# Altium PCB PCB1.PcbDoc (part 3 of 3) (continued)
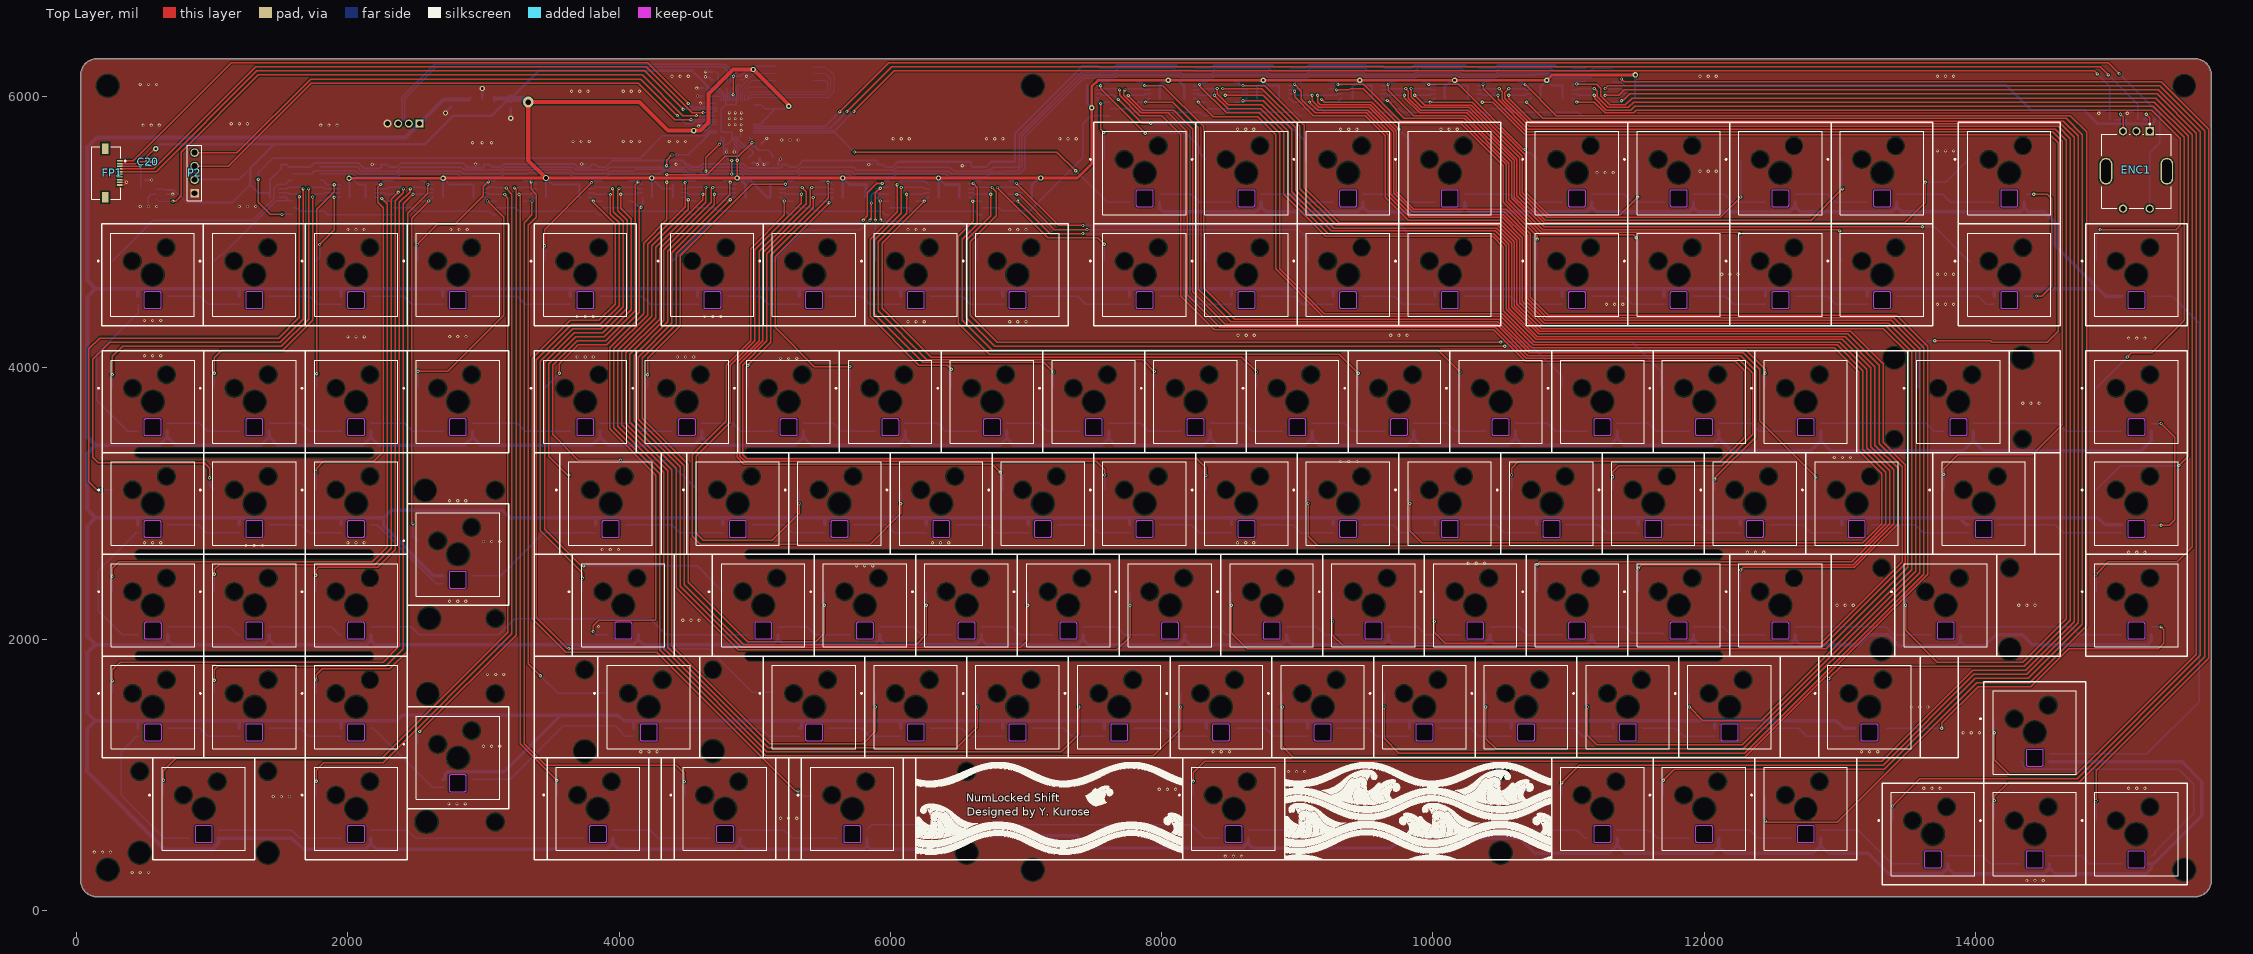
[diagram p0: Top Layer view]
## Nets (pads, with @x,y where several pads share a name; then routed paths per layer and width w, separated by ;. In a path a pad name is that pad's centre, name@x,y a point inside that pad or via, vN(x,y) a via of type N, cw(c..) or ccw(c..) an arc to the next point about the centre after c; other vN are vias at no path point) (continued)
  Top Layer w10: v1(5800,5090) 5830,5120 5830,5290 5900,5360 v1(5940,5360)
  Bottom Layer w10: SW53.1@4389.86,4787.5 4390.85,4787.5 4673.35,5070 5780,5070 v1(5800,5090) ; R23.8@5887.77,5352.66 5928.97,5352.66 5936.31,5360 5941.7,5360 5962.12,5380.41 U10.14@5990.13,5380.41
NetR24_5: R24.5 SW64.1 U11.11 | length 4273.2
  Top Layer w10: v1(6608.01,5228.01) 6610,5226.02 6610,5080 6500,4970 6500,4330 6730,4100 9310,4100 v1(9450,3960)
  Bottom Layer w10: R24.5@6574.92,5258.17 6584.27,5258.17 6605.41,5237.03 6605.41,5230.62 v1(6608.01,5228.01) ; v1@6612.02,5230.41 U11.11@6677.27,5230.41 ; v1(9450,3960) 9450,3852.36 SW64.1@9452.36,3850
NetR24_6: R24.6 SW63.1 U11.12 | length 5813
  Top Layer w10: v1(6740,5280) 6740,5120 6560,4940 6560,4370 6770,4160 v1(10530,4160)
  Bottom Layer w10: R24.6@6574.91,5289.66 6575.25,5290 6610,5290 6619.59,5280.41 U11.12@6677.27,5280.41 6677.48,5280.21 6739.79,5280.21 v1(6740,5280) ; v1(10530,4160) 10730,4160 10952.36,3937.64 SW63.1@10952.36,3850
NetR24_7: R24.7 SW62.1 U11.13 | length 6610.3
  Top Layer w10: v1(6750,5330) 6750,5327.33 6780,5297.33 6780,5120 6590,4930 6590,4390 6790,4190 v1(10500,4190)
  Bottom Layer w10: R24.7@6574.91,5321.16 6576.07,5320 6610,5320 6620.41,5330.41 U11.13@6677.27,5330.41 6677.48,5330.21 6749.79,5330.21 v1(6750,5330) ; v1(10500,4190) 11470,4190 11680,3980 11680,3872.36 SW62.1@11702.36,3850
NetR24_8: R24.8 SW61.1 U11.14 | length 5130.2
  Top Layer w10: v1(6610,5360) 6640,5330 6640,5060 6530,4950 6530,4350 6750,4130 10040,4130 v1(10200,3970)
  Bottom Layer w10: R24.8@6574.91,5352.66 6578.28,5356.02 6602.34,5356.02 6606.31,5360 v1(6610,5360) 6630.41,5380.41 U11.14@6677.27,5380.41 ; v1(10200,3970) 10200,3852.36 SW61.1@10202.36,3850
NetR25_5: R25.5 SW72.1 U12.11 | length 559.3
  Top Layer w10: v1(7550,5950) 7550,5760 v1(7573.68,5736.32)
  Bottom Layer w10: R25.5@7517.78,5987.31 7527.13,5987.31 7530.49,5983.94 7530.49,5969.51 v1(7550,5950) 7570,5950 7578.18,5958.18 7618.76,5958.18 U12.11@7620.13,5959.55 ; v1@7570,5740 v1(7573.68,5736.32) 7577.36,5732.64 SW72.1@7577.36,5537.5
NetR25_6: R25.6 SW71.1 U12.12 | length 1828.7
  Top Layer w10: v1(7680,5980) 7856.38,5803.62 v1(7920,5803.62)
  Bottom Layer w10: R25.6@7517.77,6018.81 7518.97,6020 7550,6020 7560.45,6009.55 7648.44,6009.55 7678,5980 v1(7680,5980) ; v1(7920,5803.62) 7922.26,5801.37 8928.63,5801.37 9062.36,5667.64 SW71.1@9062.36,5530
NetR25_7: R25.7 SW70.1 U12.13 | length 8834.6
  Top Layer w10: v1(7690,6050) 7690,6010 7840,5860 8000,5860 8140,5720 8140,4530 8390,4280 10450,4280 10680,4050 12230,4050 12300,3980 12300,3490 12120,3310 10630,3310 10580,3260 v1(10580,3210)
  Bottom Layer w10: R25.7@7517.77,6050.3 7518.08,6050 7550,6050 7559.55,6059.55 7676.76,6059.55 7686.31,6050 v1(7690,6050) ; SW70.1@10577.36,3100 10580,3102.64 v1(10580,3210)
NetR25_8: R25.8 SW69.1 U12.14 | length 1164.5
  Top Layer w10: v1(7550,6080) 7550,6060 v1(7880,5730)
  Bottom Layer w10: R25.8@7517.77,6081.8 7518.67,6080.9 7549.1,6080.9 v1(7550,6080) 7551.53,6081.53 7551.53,6095.45 7565.86,6109.78 7619.91,6109.78 U12.14@7620.13,6109.55 ; v1(7880,5730) 8180,5730 8282.17,5627.83 8282.17,5581.71 8326.38,5537.5 SW69.1@8327.36,5537.5
NetR26_5: R26.5 SW80.1 U13.11 | length 11454.8
  Top Layer w10: v1(8270,5960) 8380,5850 8710,5850 8840,5720 8840,4730 9190,4380 10500,4380 10730,4150 12960,4150 13140,3970 13140,3390 13310,3220 13310,2850 13170,2710 9920,2710 9830,2800 v1(9830,3000)
  Bottom Layer w10: R26.5@8234.92,5987.31 8244.27,5987.31 8270.79,5960.79 8272.03,5959.55 U13.11@8337.28,5959.55 ; SW80.1@9827.36,3100 9830,3097.36 v1(9830,3000)
NetR26_6: R26.6 SW79.1 U13.12 | length 10488.4
  Top Layer w10: v1(8390,6010) 8490,5910 8730,5910 8900,5740 8900,5280 9210,4970 10440,4970 10520,4890 10520,4420 10750,4190 13000,4190 13200,3990 13200,3410 13370,3240 13370,2850 13090,2570 10790,2570 v1(10770,2550)
  Bottom Layer w10: R26.6@8234.92,6018.81 8236.11,6020 8270,6020 8280.45,6009.55 U13.12@8337.28,6009.55 8337.5,6009.78 8389.78,6009.78 v1(8390,6010) ; SW79.1@10764.86,2350 10764.86,2542.7 10770,2547.84 v1(10770,2550)
NetR26_7: R26.7 SW78.1 U13.13 | length 9836
  Top Layer w10: v1(8410,6060) 8410,6020 8490,5940 8740,5940 8930,5750 8930,5290 9230,4990 10450,4990 10540,4900 10540,4431.21 10761.21,4210 13020,4210 13230,4000 13230,3420 13400,3250 13400,2850 13100,2550 11540,2550 v1(11513.92,2523.92)
  Bottom Layer w10: R26.7@8234.92,6050.3 8235.22,6050 8270,6050 8279.55,6059.55 U13.13@8337.28,6059.55 8337.5,6059.78 8409.78,6059.78 v1(8410,6060) ; v1(11513.92,2523.92) 11513.92,2350.95 SW78.1@11514.86,2350
NetR26_8: R26.8 SW77.1 U13.14 | length 12362
  Top Layer w10: v1(8280,6090) 8282.61,6087.39 8282.61,6077.39 8480,5880 8720,5880 8870,5730 8870,4730 9200,4400 10511.21,4400 10741.21,4170 12980,4170 13170,3980 13170,3400 13340,3230 13340,2850 13180,2690 9150,2690 9080,2760 v1(9080,3000)
  Bottom Layer w10: R26.8@8234.92,6081.8 8268.11,6081.8 8276.31,6090 v1(8280,6090) 8282.61,6092.61 8290.89,6092.61 8307.84,6109.55 U13.14@8337.28,6109.55 ; SW77.1@9070,3092.64 9080,3082.64 v1(9080,3000)
NetR27_5: R27.5 SW84.1 U14.3 | length 3119.6
  Top Layer w10: v1(9300,6090) 9490,6090 9760,5820 10220,5820 10540,5500 10540,5230 10790,4980 11480,4980 v1(11500,4960)
  Bottom Layer w10: U14.3@9233.94,6109.55 9286.43,6109.55 9297.39,6098.59 9297.39,6092.61 v1(9300,6090) 9303.69,6090 9308.76,6084.92 9330.58,6084.92 R27.5@9333.7,6081.8 ; v1(11500,4960) 11500,4957.84 11514.86,4942.97 SW84.1@11514.86,4787.5
NetR27_6: R27.6 SW83.1 U14.4 | length 2381.9
  Top Layer w10: v1(9290,6050) 9385.33,6050 9394.88,6059.55 9486.53,6059.55 9746.08,5800 10210,5800 10520,5490 10520,5220 10770,4970 v1(10770,4950)
  Bottom Layer w10: U14.4@9233.94,6059.55 9236.31,6057.19 9279.13,6057.19 9286.31,6050 v1(9290,6050) 9290.15,6050.15 9333.56,6050.15 R27.6@9333.71,6050.3 ; SW83.1@10764.86,4787.5 10764.86,4942.7 10770,4947.84 v1(10770,4950)
NetR27_7: R27.7 SW82.1 U14.5 | length 13445
  Top Layer w10: v1(8890,1500) 8890,1210 8970,1130 12300,1130 13650,2480 13650,4160 13420,4390 10850,4390 10720,4520 10720,4990 10540,5170 9860,5170 9730,5300 9730,5750 9540,5940 9170,5940 9150,5960 v1(9150,6010)
  Bottom Layer w10: SW82.1@8889.86,1600 8890,1599.86 v1(8890,1500) ; v1@9150.45,6009.55 9289.55,6009.55 9300,6020 9332.51,6020 R27.7@9333.71,6018.81
NetR27_8: R27.8 SW81.1 U14.6 | length 1089.3
  Top Layer w10: v1(9180,5980) 9200,5960 9550,5960 v1(9750,5760)
  Bottom Layer w10: v1(9180,5980) 9182.61,5977.39 9188.45,5977.39 9206.29,5959.55 9296.6,5959.55 9324.35,5987.31 R27.8@9333.71,5987.31 ; v1(9750,5760) 9827.36,5682.64 SW81.1@9827.36,5537.5
NetR28_5: R28.5 SW92.1 U15.3 | length 1137.6
  Top Layer w10: v1(9970,6090) 10190,6090 10667.39,5612.61 10677.39,5612.61 v1(10680,5610)
  Bottom Layer w10: U15.3@9918.49,6109.55 9947.62,6109.55 9967.18,6090 9973.69,6090 9981.89,6081.8 R28.5@10020.85,6081.8 ; v1(10680,5610) 10708.37,5581.63 10720.73,5581.63 SW92.1@10764.86,5537.5
NetR28_6: R28.6 SW91.1 U15.4 | length 4275.1
  Top Layer w10: v1(9840,6060) 9840,6000 9920,5920 10270,5920 10640,5550 10640,5280 10830,5090 12790,5090 v1(13020,5320)
  Bottom Layer w10: v1(9840,6060) 9840.22,6059.78 9918.27,6059.78 U15.4@9918.49,6059.55 9980.45,6059.55 9990,6050 10020.55,6050 R28.6@10020.85,6050.3 ; SW91.1@13014.86,5537.5 13014.86,5327.3 13020,5322.16 v1(13020,5320)
NetR28_7: R28.7 SW90.1 U15.5 | length 3434.4
  Top Layer w10: v1(9867.08,6010.86) 9939.75,5938.19 10281.81,5938.19 10660,5560 10660,5291.21 10841.21,5110 12120,5110 v1(12270,5260)
  Bottom Layer w10: v1(9867.08,6010.86) 9867.73,6010.21 9917.84,6010.21 U15.5@9918.49,6009.55 9979.55,6009.55 9990,6020 10019.66,6020 R28.7@10020.85,6018.81 ; SW90.1@12264.86,5537.5 12270,5532.36 v1(12270,5260)
NetR28_8: R28.8 SW89.1 U15.6 | length 2479.4
  Top Layer w10: v1(9980,5960) 10290,5960 10680,5570 10680,5300 10850,5130 11380,5130 v1@11510,5260
  Bottom Layer w10: U15.6@9918.49,5959.55 9918.71,5959.78 9979.78,5959.78 9982.61,5962.61 9986.8,5962.61 10011.5,5987.31 R28.8@10020.85,5987.31 ; v1(11510.55,5259.59) 11510.55,5261.75 11514.86,5266.06 SW89.1@11514.86,5537.5
NetR29_5: R29.5 SW100.1 U16.3 | length 11201
  Top Layer w10: v1(10680,6090) 10910,5860 14700,5860 14820,5740 14820,2100 14400,1680 14010,1680 12980,650 12462.67,650 v1(12452.67,660)
  Bottom Layer w10: U16.3@10625.63,6109.55 10652.92,6109.55 10670.94,6091.53 10678.47,6091.53 v1(10680,6090) 10682.16,6090 10690.37,6081.8 R29.5@10727.99,6081.8 ; SW100.1@12452.36,850 12452.67,849.69 v1(12452.67,660)
NetR29_6: R29.6 SW99.1 U16.4 | length 15267.2
  Top Layer w10: v1(8234.13,953.52) 8234.13,1014.13 8320,1100 13310,1100 13980,1770 14370,1770 14730,2130 14730,5700 14630,5800 10720,5800 10530,5990 10530,6027.92 10560,6057.92 v1(10560,6060)
  Bottom Layer w10: SW99.1@8233.61,850 8234.13,850.51 v1(8234.13,953.52) ; v1(10560,6060) 10560.22,6059.78 10625.41,6059.78 U16.4@10625.63,6059.55 10680.45,6059.55 10690,6050 10727.69,6050 R29.6@10728,6050.3
NetR29_7: R29.7 SW98.1 U16.5 | length 12488.7
  Top Layer w10: v1(10560,6010) 10560,5990 10730,5820 14650,5820 14760,5710 14760,2120 14380,1740 13990,1740 13320,1070 11080,1070 v1(10950,940)
  Bottom Layer w10: v1(10560,6010) 10560.22,6009.78 10625.41,6009.78 U16.5@10625.63,6009.55 10679.55,6009.55 10690,6020 10726.8,6020 R29.7@10728,6018.81 ; v1(10950,940) 10950,852.36 SW98.1@10952.36,850
NetR29_8: R29.8 SW97.1 U16.6 | length 11598.8
  Top Layer w10: v1(10691.44,5959.14) 10810.58,5840 14670,5840 14790,5720 14790,2110 14390,1710 14000,1710 13330,1040 11780,1040 v1(11700,960)
  Bottom Layer w10: U16.6@10625.63,5959.55 10690.89,5959.55 10718.64,5987.31 R29.8@10728,5987.31 ; v1(11700,960) 11700,852.36 SW97.1@11702.36,850
NetR30_5: R30.5 SW108.1 U17.3 | length 10059.7
  Top Layer w10: v1(11390,6130) 11410,6110 15370,6110 15720,5760 15720,1860 14890,1030 v1(14890,810)
  Bottom Layer w10: U17.3@11322.78,6109.55 11388.03,6109.55 ; v1(11390,6130) 11388.03,6128.03 11388.03,6109.55 ; R30.5@11425.14,6081.8 11415.79,6081.8 11388.03,6109.55 ; SW108.1@14889.86,662.5 14890,662.64 v1(14890,810)
NetR30_6: R30.6 SW107.1 U17.4 | length 10758.6
  Top Layer w10: v1(11270,6060) 11290,6080 15360,6080 15690,5750 15690,1870 14765,945 14245,945 14140,840 v1(14140,810)
  Bottom Layer w10: v1(11270,6060) 11270.22,6059.78 11322.56,6059.78 U17.4@11322.78,6059.55 11380.45,6059.55 11390,6050 11424.84,6050 R30.6@11425.14,6050.3 ; SW107.1@14139.86,662.5 14140,662.64 v1(14140,810)
NetR30_7: R30.7 SW106.1 U17.5 | length 11392.5
  Top Layer w10: v1(11270,6010) 11370,6010 11410,6050 15350,6050 15660,5740 15660,1880 14750,970 13590,970 v1(13390,770)
  Bottom Layer w10: v1(11270,6010) 11270.22,6009.78 11322.56,6009.78 U17.5@11322.78,6009.55 11379.55,6009.55 11390,6020 11423.95,6020 R30.7@11425.14,6018.81 ; SW106.1@13389.86,662.5 13390,662.64 v1(13390,770)
NetR30_8: R30.8 SW105.1 U17.6 | length 10541.5
  Top Layer w10: v1(11390,5970) 11392.61,5972.61 11402.61,5972.61 11450,6020 15340,6020 15630,5730 15630,1890 14740,1000 14250,1000 14140,1110 v1(14140,1310)
  Bottom Layer w10: U17.6@11322.78,5959.55 11375.87,5959.55 11386.31,5970 v1(11390,5970) 11392.61,5972.61 11401.09,5972.61 11415.79,5987.31 R30.8@11425.14,5987.31 ; SW105.1@14139.86,1412.5 14140,1412.36 v1(14140,1310)
NetR31_5: R31.5 SW88.1 U14.11 | length 11713.4
  Top Layer w10: v1(9090,5960) 9150,5900 9520,5900 9690,5730 9690,5280 9840,5130 10520,5130 10680,4970 10680,4500 10830,4350 13380,4350 13590,4140 13590,2490 12290,1190 10466.65,1190 10390,1266.65 v1(10390,1500)
  Bottom Layer w10: R31.5@8932.07,5987.31 8941.42,5987.31 8969.17,5959.55 U14.11@9034.42,5959.55 ; U14.11@9037.02,5959.55 9037.25,5959.78 9089.78,5959.78 v1(9090,5960) ; SW88.1@10389.86,1600 10390,1599.86 v1(10390,1500)
NetR31_6: R31.6 SW87.1 U14.12 | length 12594.1
  Top Layer w10: v1(9110,6010) 9110,5970 9160,5920 9530,5920 9710,5740 9710,5290 9850,5150 10527.57,5150 10700,4977.57 10700,4510 10840,4370 13400,4370 13620,4150 13620,2480 12300,1160 9750,1160 9640,1270 v1(9640,1500)
  Bottom Layer w10: R31.6@8932.06,6018.81 8933.26,6020 8970,6020 8980.45,6009.55 U14.12@9034.42,6009.55 ; U14.12@9037.02,6009.55 9037.25,6009.78 9109.78,6009.78 v1(9110,6010) ; SW87.1@9639.86,1600 9640,1599.86 v1(9640,1500)
NetR31_7: R31.7 SW86.1 U14.13 | length 9879.6
  Top Layer w10: v1(8980,6040) 8980,6000 9120,5860 9500,5860 9650,5710 9650,5260 9820,5090 10500,5090 10640,4950 10640,4480 10810,4310 13340,4310 13530,4120 13530,2510 12420,1400 11990,1400 v1(11890,1500)
  Bottom Layer w10: R31.7@8932.06,6050.3 8932.37,6050 8966.31,6050 8976.31,6040 v1(8980,6040) 8982.61,6042.61 8982.61,6052.82 8989.34,6059.55 U14.13@9034.42,6059.55 ; SW86.1@11889.86,1600 11890,1599.86 v1(11890,1500)
NetR31_8: R31.8 SW85.1 U14.14 | length 11004.3
  Top Layer w10: v1(8980,6090) 9030,6040 9030,5981.15 9131.15,5880 9510,5880 9670,5720 9670,5270 9830,5110 10510,5110 10660,4960 10660,4490 10820,4330 13360,4330 13560,4130 13560,2500 12280,1220 11210,1220 11140,1290 v1(11140,1500)
  Bottom Layer w10: R31.8@8932.06,6081.8 8968.11,6081.8 8976.31,6090 v1(8980,6090) 8982.61,6092.61 8982.61,6102.82 8989.34,6109.55 U14.14@9034.42,6109.55 ; SW85.1@11139.86,1600 11140,1599.86 v1(11140,1500)
NetR32_5: R32.5 SW96.1 U15.11 | length 3484.8
  Top Layer w10: v1(9664.39,5971.99) 9668.01,5971.99 9731.3,5908.7 9731.3,5898.7 9790,5840 10230,5840 10560,5510 10560,5240 10800,5000 12250,5000 v1(12260,4990)
  Bottom Layer w10: R32.5@9619.21,5987.31 9628.56,5987.31 9643.88,5971.99 v1(9664.39,5971.99) 9666.99,5969.38 9674.3,5969.38 9681.77,5961.92 9719.2,5961.92 U15.11@9721.57,5959.55 ; v1(12260,4990) 12260,4987.84 12264.86,4982.97 SW96.1@12264.86,4787.5
NetR32_6: R32.6 SW95.1 U15.12 | length 5023.9
  Top Layer w10: v1(9790,6010) 9790.68,6009.32 9790.68,5992.77 9903.45,5880 10250,5880 10600,5530 10600,5260 10820,5040 v1(13610,5040)
  Bottom Layer w10: R32.6@9619.21,6018.81 9620.4,6020 9660,6020 9670.45,6009.55 U15.12@9721.57,6009.55 9721.79,6009.78 9789.78,6009.78 v1(9790,6010) ; v1(13610,5040) 13698.88,5040 13951.38,4787.5 SW95.1@13963.88,4787.5
NetR32_7: R32.7 SW94.1 U15.13 | length 5217.9
  Top Layer w10: v1(9800,6060) 9820,6040 9820,5990 9910,5900 10260,5900 10620,5540 10620,5270 10820,5070 13480,5070 13630,5220 v1@13630,5371.81
  Bottom Layer w10: R32.7@9619.21,6050.3 9619.51,6050 9670,6050 9678.89,6058.9 9750.57,6058.9 9751.45,6059.78 9799.78,6059.78 v1(9800,6060) ; v1(13630.55,5369.59) 13783.47,5369.59 13951.38,5537.5 SW94.1@13952.36,5537.5
NetR32_8: R32.8 SW93.1 U15.14 | length 4301.5
  Top Layer w10: v1(9670,6090) 9671.81,6088.19 9671.81,6048.19 9860,5860 10240,5860 10580,5520 10580,5250 10810,5020 12990,5020 v1(13000,5010)
  Bottom Layer w10: R32.8@9619.21,6081.8 9658.11,6081.8 9666.31,6090 9672.85,6090 9692.41,6109.55 U15.14@9721.57,6109.55 ; v1(13000,5010) 13000,4802.36 SW93.1@13014.86,4787.5
NetR33_5: R33.5 SW104.1 U16.11 | length 7251.1
  Top Layer w10: v1(10364.01,5959.14) 10440.86,5959.14 10680,5720 14550,5720 14610,5660 14610,4270 14530,4190 14121.84,4190 14111.84,4200 v1(13700,4200)
  Bottom Layer w10: R33.5@10326.36,5987.31 10335.71,5987.31 10363.46,5959.55 U16.11@10428.71,5959.55 ; SW104.1@13577.36,3850 13577.36,4127.36 13650,4200 v1(13700,4200)
NetR33_6: R33.6 SW103.1 U16.12 | length 9733.6
  Top Layer w10: v1(10480.7,6009.84) 10480.7,5979.3 10700,5760 14590,5760 14670,5680 14670,2150 14350,1830 13720,1830 13485.05,2064.95 v1(13485.05,2250.39)
  Bottom Layer w10: R33.6@10326.35,6018.81 10327.55,6020 10360,6020 10370.45,6009.55 U16.12@10428.71,6009.55 10428.85,6009.69 10480.56,6009.69 v1(10480.7,6009.84) ; SW103.1@13483.61,2350 13485.05,2348.56 v1(13485.05,2250.39)
NetR33_7: R33.7 SW102.1 U16.13 | length 10184.5
  Top Layer w10: v1(10490,6060) 10490,6059.17 10512.08,6037.09 10512.08,5977.92 10710,5780 14610,5780 14700,5690 14700,2140 14360,1800 13010,1800 12920.42,1710.42 v1(12920.42,1709.58)
  Bottom Layer w10: R33.7@10326.35,6050.3 10326.66,6050 10360,6050 10369.55,6059.55 U16.13@10428.71,6059.55 10428.94,6059.78 10489.78,6059.78 v1(10490,6060) ; v1(12920.42,1709.58) 12920.42,1600.69 SW102.1@12921.11,1600
NetR33_8: R33.8 SW101.1 U16.14 | length 7835.9
  Top Layer w10: v1(10370,6090) 10370,6060 10690,5740 14570,5740 14640,5670 14640,3580 14420,3360 13870,3360 13766.32,3256.32 v1(13766.32,3214.99)
  Bottom Layer w10: R33.8@10326.35,6081.8 10358.11,6081.8 10366.31,6090 v1(10370,6090) 10372.61,6092.61 10372.61,6102.61 10379.55,6109.55 U16.14@10428.71,6109.55 ; SW101.1@13764.86,3100 13766.32,3101.46 v1(13766.32,3214.99)
NetR34_5: R34.5 SW112.1 U17.11 | length 6179.2
  Top Layer w10: v1(11060.39,5959.78) 11190.22,5959.78 11270,5880 11480,5880 11500,5900 15300,5900 15510,5690 15510,5050 15480,5020 v1(14920,5020)
  Bottom Layer w10: R34.5@11023.5,5987.31 11032.85,5987.31 v1(11060.39,5959.78) 11060.61,5959.55 U17.11@11125.86,5959.55 ; SW112.1@14889.86,4787.5 14889.86,4989.86 v1(14920,5020)
NetR34_6: R34.6 SW111.1 U17.12 | length 6893.8
  Top Layer w10: v1(11189.78,6009.78) 11192.38,6007.17 11192.38,5987.62 11280,5900 11460,5900 11490,5930 15310,5930 15540,5700 15540,4350 15300,4110 15150,4110 v1(15120,4080)
  Bottom Layer w10: R34.6@11023.5,6018.81 11024.69,6020 11060,6020 11070.45,6009.55 U17.12@11125.86,6009.55 11125.97,6009.67 11189.67,6009.67 v1(11189.78,6009.78) ; SW111.1@14889.86,3850 14890.85,3850 15120,4079.15 v1(15120,4080)
NetR34_7: R34.7 SW110.1 U17.13 | length 7896.2
  Top Layer w10: v1(11189.78,6060.22) 11211.59,6038.41 11211.59,5998.41 11290,5920 11440,5920 11480,5960 15320,5960 15570,5710 15570,3350 v1(15500,3280)
  Bottom Layer w10: R34.7@11023.5,6050.3 11023.8,6050 11060,6050 11069.55,6059.55 U17.13@11125.86,6059.55 11126.19,6059.89 11189.44,6059.89 v1(11189.78,6060.22) ; SW110.1@14889.86,3100 14890.85,3100 15070.85,3280 v1(15500,3280)
NetR34_8: R34.8 SW109.1 U17.14 | length 8855.9
  Top Layer w10: v1(11060.38,6093.19) 11206.81,6093.19 11238.19,6061.81 11238.19,6004.94 11303.13,5940 11420,5940 11470,5990 15330,5990 15600,5720 15600,2680 15490,2570 14980,2570 v1(14890,2480)
  Bottom Layer w10: R34.8@11023.5,6081.8 11032.85,6081.8 11055.52,6104.47 v1@11058.85,6104.47 ; v1(11060.38,6093.19) 11060.38,6102.94 v1@11058.85,6104.47 ; 11060.38,6106 v1@11058.85,6104.47 ; 11060.61,6109.55 U17.14@11125.86,6109.55 ; SW109.1@14889.86,2350 14890,2350.14 v1(14890,2480)
NetU4_10: U4.10 U5.9 | length 762.5
  Bottom Layer w10: U4.10@1594.04,5182.5 1620.35,5182.5 1647.57,5155.27 1824.45,5155.27 1849.31,5130.41 U5.9@2334.98,5130.41
NetU5_10: U5.10 U6.9 | length 781
  Bottom Layer w10: U5.10@2334.98,5180.41 2475.63,5180.41 2499.45,5156.59 3042.77,5156.59 3068.96,5130.41 U6.9@3095.26,5130.41
NetU6_10: U6.10 U7.9 | length 801
  Bottom Layer w10: U6.10@3095.26,5180.41 3235.92,5180.41 3259.74,5156.59 3823.06,5156.59 3849.24,5130.41 U7.9@3875.55,5130.41
NetU7_10: U7.10 U8.9 | length 711
  Bottom Layer w10: U7.10@3875.55,5180.41 4016.21,5180.41 4040.03,5156.59 4513.35,5156.59 4539.53,5130.41 U8.9@4565.84,5130.41
NetU8_10: U8.10 U9.9 | length 737.9
  Bottom Layer w10: U8.10@4565.84,5180.41 4706.5,5180.41 4730.32,5156.59 5230.49,5156.59 5256.68,5130.41 U9.9@5282.98,5130.41
NetU9_10: U9.10 U10.9 | length 727.9
  Bottom Layer w10: U9.10@5282.98,5180.41 5423.64,5180.41 5447.46,5156.59 5937.64,5156.59 5963.82,5130.41 U10.9@5990.13,5130.41
NetU10_10: U10.10 U11.9 | length 707.9
  Bottom Layer w10: U10.10@5990.13,5180.41 6130.79,5180.41 6154.61,5156.59 6624.78,5156.59 6650.97,5130.41 U11.9@6677.27,5130.41
NetU11_10: U11.10 U12.9 | length 1388.2
  Bottom Layer w10: U11.10@6677.27,5180.41 6798.69,5180.41 6819.87,5159.23 7029.23,5159.23 7420,5550 7420,5800 7479.55,5859.55 U12.9@7620.13,5859.55
NetU12_10: U12.10 U13.9 | length 737.9
  Bottom Layer w10: U12.10@7620.13,5909.55 7760.79,5909.55 7784.61,5885.74 8284.79,5885.74 8310.97,5859.55 U13.9@8337.28,5859.55
NetU14_10: U14.10 U15.9 | length 705.3
  Bottom Layer w10: U14.10@9037.02,5909.55 9177.68,5909.55 9201.5,5885.74 9669.08,5885.74 9695.26,5859.55 U15.9@9721.57,5859.55
NetU15_10: U15.10 U16.9 | length 727.9
  Bottom Layer w10: U15.10@9721.57,5909.55 9747.88,5909.55 9772.88,5884.55 10377.41,5884.55 10402.41,5859.55 U16.9@10428.71,5859.55
NetU16_10: U16.10 U17.9 | length 717.9
  Bottom Layer w10: U16.10@10428.71,5909.55 10569.37,5909.55 10593.19,5885.74 11073.37,5885.74 11099.55,5859.55 U17.9@11125.86,5859.55
QSPI_SCLK: U3.52 Y1.6 | length 362.8
  Bottom Layer w8: U3.52@4896.06,5969.57 4896.06,6036.06 4981.69,6121.69 Y1.6@5156.93,6121.69
QSPI_SD0: U3.53 Y1.5 | length 318
  Bottom Layer w8: U3.53@4911.81,5969.57 4911.81,6021.81 4961.69,6071.69 Y1.5@5156.93,6071.69
QSPI_SD1: U3.55 Y1.2 | length 888.1
  Bottom Layer w8: U3.55@4943.31,5969.57 4943.31,5993.31 4966.69,6016.69 5526.69,6016.69 5561.69,6051.69 5561.69,6131.69 5521.69,6171.69 Y1.2@5436.46,6171.69
QSPI_SD2: U3.54 Y1.3 | length 823.9
  Bottom Layer w8: U3.54@4927.56,5969.57 4927.56,6007.56 4956.69,6036.69 5516.69,6036.69 5536.69,6056.69 5536.69,6106.69 5521.69,6121.69 Y1.3@5436.46,6121.69
QSPI_SD3: U3.51 Y1.7 | length 407.6
  Bottom Layer w8: U3.51@4880.31,5969.57 4880.31,6050.31 5001.69,6171.69 Y1.7@5156.93,6171.69
QSPI_SS_N: U3.56 Y1.1 | length 960.6
  Bottom Layer w8: U3.56@4959.05,5969.57 4959.05,5983.22 4972.53,5996.69 5546.69,5996.69 5586.69,6036.69 5586.69,6156.69 5521.69,6221.69 Y1.1@5436.46,6221.69
SERNEXT: U13.10 U14.9 | length 720.5
  Bottom Layer w10: U13.10@8337.28,5909.55 8477.94,5909.55 8501.76,5885.74 8984.53,5885.74 9010.72,5859.55 U14.9@9037.02,5859.55
"XIN RP2040": C24.2 U3.20 Y2.1 | length 351.1
  Bottom Layer w10: U3.20@4880.31,5703.82 4880.31,5679.69 4921.04,5638.96 4995.05,5638.96 5030.1,5603.91 5093.91,5603.91 Y2.1@5096.69,5606.69 5124,5579.38 5124,5567.99 5134.09,5557.9 C24.2@5134.09,5544.09
"XOUT RP2040": C22.2 U3.21 Y2.3 | length 256.8
  Bottom Layer w10: U3.21@4864.57,5703.82 4864.57,5665.43 4906.04,5623.96 4956.93,5623.96 Y2.3@4988.12,5592.77 4988.12,5582.92 C22.2@4949.29,5544.09
pads on no net: FP1.6 FP1.7 FP1.11 FP1.12 LED69.2 LED112.2 SW1.HMT1 SW1.HMT2 SW1.MH1 SW2.HMT1 SW2.HMT2 SW2.MH1 SW3.HMT1 SW3.HMT2 SW3.MH1 SW4.HMT1 SW4.HMT2 SW4.MH1 SW5.HMT1 SW5.HMT2 SW5.MH1 SW6.HMT1 SW6.HMT2 SW6.MH1 SW7.HMT1 SW7.HMT2 SW7.MH1 SW8.HMT1 SW8.HMT2 SW8.MH1 SW9.HMT1 SW9.HMT2 SW9.MH1 SW10.HMT1 SW10.HMT2 SW10.MH1 SW11.HMT1 SW11.HMT2 SW11.MH1 SW12.HMT1 SW12.HMT2 SW12.MH1 SW13.HMT1 SW13.HMT2 SW13.MH1 SW14.HMT1 SW14.HMT2 SW14.MH1 SW15.HMT1 SW15.HMT2 SW15.MH1 SW16.HMT1 SW16.HMT2 SW16.MH1 SW17.HMT1 SW17.HMT2 SW17.MH1 SW18.HMT1 SW18.HMT2 SW18.MH1 SW19.HMT1 SW19.HMT2 SW19.MH1 SW20.HMT1 SW20.HMT2 SW20.MH1 SW21.HMT1 SW21.HMT2 SW21.MH1 SW22.HMT1 SW22.HMT2 SW22.MH1 SW23.HMT1 SW23.HMT2 SW23.MH1 SW24.HMT1 SW24.HMT2 SW24.MH1 SW25.HMT1 SW25.HMT2 SW25.MH1 SW26.HMT1 SW26.HMT2 SW26.MH1 SW27.HMT1 SW27.HMT2 SW27.MH1 SW28.HMT1 SW28.HMT2 SW28.MH1 SW29.HMT1 SW29.HMT2 SW29.MH1 SW30.HMT1 SW30.HMT2 SW30.MH1 SW31.HMT1 SW31.HMT2 SW31.MH1 SW32.HMT1 SW32.HMT2 SW32.MH1 SW33.HMT1 SW33.HMT2 SW33.MH1 SW34.HMT1 SW34.HMT2 SW34.MH1 SW35.HMT1 SW35.HMT2 SW35.MH1 SW36.HMT1 SW36.HMT2 SW36.MH1 SW37.HMT1 SW37.HMT2 SW37.MH1 SW38.HMT1 SW38.HMT2 SW38.MH1 SW39.HMT1 SW39.HMT2 SW39.MH1 SW40.HMT1 SW40.HMT2 SW40.MH1 SW41.HMT1 SW41.HMT2 SW41.MH1 SW42.HMT1 SW42.HMT2 SW42.MH1 SW43.HMT1 SW43.HMT2 SW43.MH1 SW44.HMT1 SW44.HMT2 SW44.MH1 SW45.HMT1 SW45.HMT2 SW45.MH1 SW46.HMT1 SW46.HMT2 SW46.MH1 SW47.HMT1 SW47.HMT2 SW47.MH1 SW48.HMT1 SW48.HMT2 SW48.MH1 SW49.HMT1 SW49.HMT2 SW49.MH1 SW50.HMT1 SW50.HMT2 SW50.MH1 SW51.HMT1 SW51.HMT2 SW51.MH1 SW52.HMT1 SW52.HMT2 SW52.MH1 SW53.HMT1 SW53.HMT2 SW53.MH1 SW54.HMT1 SW54.HMT2 SW54.MH1 SW55.HMT1 SW55.HMT2 SW55.MH1 SW56.HMT1 SW56.HMT2 SW56.MH1 SW57.HMT1 SW57.HMT2 SW57.MH1 SW58.HMT1 SW58.HMT2 SW58.MH1 SW59.HMT1 SW59.HMT2 SW59.MH1 SW60.HMT1 SW60.HMT2 SW60.MH1 SW61.HMT1 SW61.HMT2 SW61.MH1 SW62.HMT1 SW62.HMT2 SW62.MH1 SW63.HMT1 SW63.HMT2 SW63.MH1 SW64.HMT1 SW64.HMT2 SW64.MH1 SW65.HMT1 SW65.HMT2 SW65.MH1 SW66.HMT1 SW66.HMT2 SW66.MH1 SW67.HMT1 SW67.HMT2 SW67.MH1 SW68.HMT1 SW68.HMT2 SW68.MH1 SW69.HMT1 SW69.HMT2 SW69.MH1 SW70.HMT1 SW70.HMT2 SW70.MH1 SW71.HMT1 SW71.HMT2 SW71.MH1 SW72.HMT1 SW72.HMT2 SW72.MH1 SW73.HMT1 SW73.HMT2 SW73.MH1 SW74.HMT1 SW74.HMT2 SW74.MH1 SW75.HMT1 SW75.HMT2 SW75.MH1 SW76.HMT1 SW76.HMT2 SW76.MH1 SW77.HMT1 SW77.HMT2 SW77.MH1 SW78.HMT1 SW78.HMT2 SW78.MH1 SW79.HMT1 SW79.HMT2 SW79.MH1 SW80.HMT1 SW80.HMT2 SW80.MH1 SW81.HMT1 SW81.HMT2 SW81.MH1 SW82.HMT1 SW82.HMT2 SW82.MH1 SW83.HMT1 SW83.HMT2 SW83.MH1 SW84.HMT1 SW84.HMT2 SW84.MH1 SW85.HMT1 SW85.HMT2 SW85.MH1 SW86.HMT1 SW86.HMT2 SW86.MH1 SW87.HMT1 SW87.HMT2 SW87.MH1 SW88.HMT1 SW88.HMT2 SW88.MH1 SW89.HMT1 SW89.HMT2 SW89.MH1 SW90.HMT1 SW90.HMT2 SW90.MH1 SW91.HMT1 SW91.HMT2 SW91.MH1 SW92.HMT1 SW92.HMT2 SW92.MH1 SW93.HMT1 SW93.HMT2 SW93.MH1 SW94.HMT1 SW94.HMT2 SW94.MH1 SW95.HMT1 SW95.HMT2 SW95.MH1 SW96.HMT1 SW96.HMT2 SW96.MH1 SW97.HMT1 SW97.HMT2 SW97.MH1 SW98.HMT1 SW98.HMT2 SW98.MH1 SW99.HMT1 SW99.HMT2 SW99.MH1 SW100.HMT1 SW100.HMT2 SW100.MH1 SW101.HMT1 SW101.HMT2 SW101.MH1 SW102.HMT1 SW102.HMT2 SW102.MH1 SW103.HMT1 SW103.HMT2 SW103.MH1 SW104.HMT1 SW104.HMT2 SW104.MH1 SW105.HMT1 SW105.HMT2 SW105.MH1 SW106.HMT1 SW106.HMT2 SW106.MH1 SW107.HMT1 SW107.HMT2 SW107.MH1 SW108.HMT1 SW108.HMT2 SW108.MH1 SW109.HMT1 SW109.HMT2 SW109.MH1 SW110.HMT1 SW110.HMT2 SW110.MH1 SW111.HMT1 SW111.HMT2 SW111.MH1 SW112.HMT1 SW112.HMT2 SW112.MH1 U2.4 U3.2 U3.3 U3.4 U3.5 U3.6 U3.7 U3.8 U3.9 U3.16 U3.17 U3.18 U3.24 U3.25 U3.26 U3.31 U3.32 U3.36 U3.38 U4.7 U5.7 U6.7 U7.7 U8.7 U9.7 U10.7 U11.7 U12.7 U13.7 U14.7 U15.7 U16.7 U17.7 U17.10

## Polygon pours and split planes (outlines as drawn)
GND on Top Layer "GND_L01_P001" (solid, pour order 1): 30,220 30,6161.01 cw(c148.28,6161.01) 64.64,6244.64 cw(c150,6159.29) 150,6280 15620,6280 cw(c15620,6159.29) 15705.36,6244.64 cw(c15621.72,6161) 15740,6161.01 15740,3740 15740,300 15740,220 cw(c15621.72,220) 15705.36,136.36 cw(c15620,221.72) 15620,101 150,101 cw(c150,221.72) 64.64,136.36 cw(c148.28,220)
GND on Bottom Layer "GND_L02_P002" (solid, pour order 2): 30,220 30,6161.01 cw(c148.28,6161.01) 64.64,6244.64 cw(c150,6159.29) 150,6280 15620,6280 cw(c15620,6159.29) 15705.36,6244.64 cw(c15621.72,6161) 15740,6161.01 15740,3740 15740,300 15740,220 cw(c15621.72,220) 15705.36,136.36 cw(c15620,221.72) 15620,101 150,101 cw(c150,221.72) 64.64,136.36 cw(c148.28,220)

## Silkscreen, mask and mechanical layers (free items; w line width, h text height)
Top Overlay:
  drawing of 96 lines, arcs and shapes, not listed
  text "NumLocked Shift" at 6560.14,800 h60
  text "Designed by Y. Kurose" at 6563.33,699.28 h60
Mechanical 1:
  drawing of 3099 lines, arcs and shapes, not listed